# KiCad board FrontEnd_5G.kicad_pcb (continued)
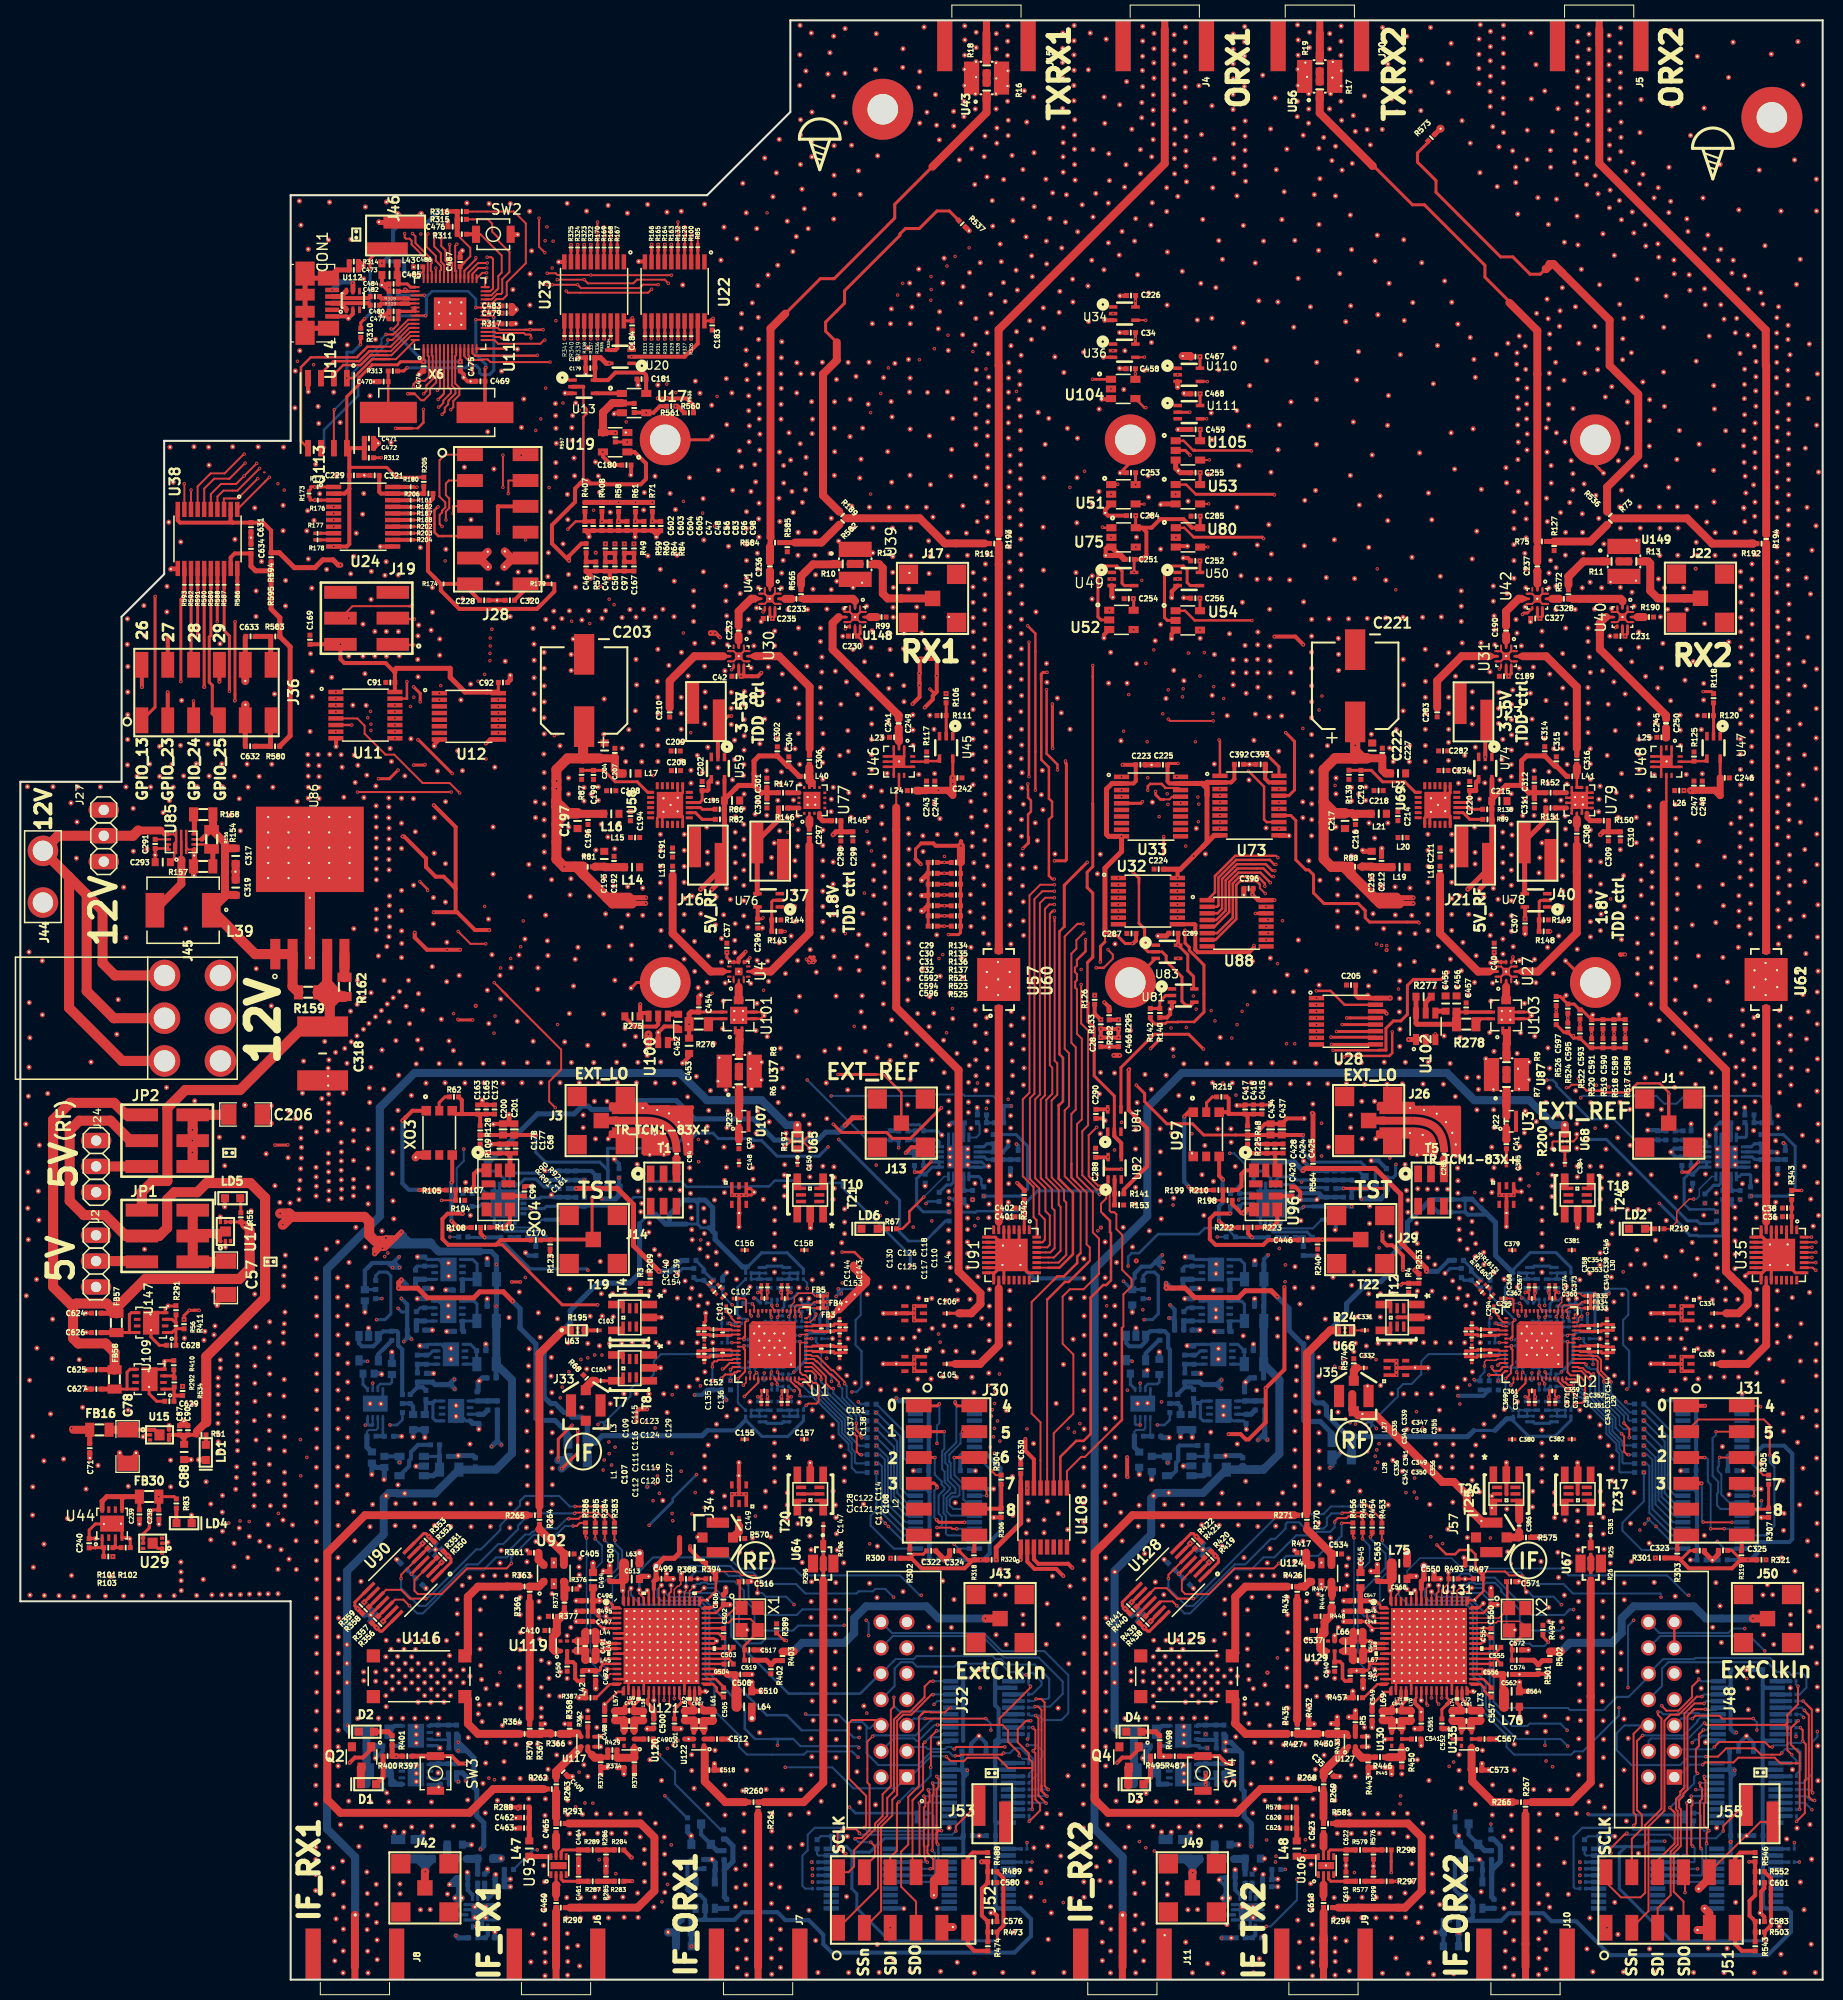
[diagram p0: board, top side]
## Placement (name value [footprint] x y rotation side) (continued)
Ref**#1411  Val**  [VIA_600_400]  51.58 0.38 0 top
Ref**#1412  Val**  [VIA_600_400]  51.59 1.72 0 top
Ref**#1413  Val**  [VIA_600_400]  51.56 5.41 0 top
Ref**#1414  Val**  [VIA_600_400]  51.59 4.02 0 top
Ref**#1415  Val**  [VIA_600_400]  51.58 2.68 0 top
Ref**#1416  Val**  [VIA_600_400]  51.55 6.89 0 top
Ref**#1417  Val**  [VIA_600_400]  51.56 8.23 0 top
Ref**#1418  Val**  [VIA_600_400]  51.53 9.62 0 top
Ref**#1419  Val**  [VIA_600_400]  51.44 11.22 0 top
Ref**#1420  Val**  [VIA_600_400]  53.81 1.78 0 top
Ref**#1421  Val**  [VIA_600_400]  53.8 0.44 0 top
Ref**#1422  Val**  [VIA_600_400]  53.78 3.14 0 top
Ref**#1423  Val**  [VIA_600_400]  53.78 4.54 0 top
Ref**#1424  Val**  [VIA_600_400]  53.69 6.05 0 top
Ref**#1425  Val**  [VIA_600_400]  48.68 14.87 270 top
Ref**#1426  Val**  [VIA_600_400]  48.72 15.9 270 top
Ref**#1427  Val**  [VIA_600_400]  51.58 16.14 0 top
Ref**#1428  Val**  [VIA_600_400]  51.61 14.75 0 top
Ref**#1429  Val**  [VIA_600_400]  51.6 13.04 0 top
Ref**#1430  Val**  [VIA_600_400]  51.62 17.77 0 top
Ref**#1431  Val**  [VIA_600_400]  49.97 17.78 0 top
Ref**#1432  Val**  [VIA_600_400]  48.37 17.79 0 top
Ref**#1433  Val**  [VIA_600_400]  46.9 17.61 0 top
Ref**#1434  Val**  [VIA_600_400]  53.77 18.87 0 top
Ref**#1435  Val**  [VIA_600_400]  53.78 17.63 0 top
Ref**#1436  Val**  [VIA_600_400]  60.92 16.33 0 top
Ref**#1437  Val**  [VIA_600_400]  59.54 16.34 0 top
Ref**#1438  Val**  [VIA_600_400]  56.63 16.3 0 top
Ref**#1439  Val**  [VIA_600_400]  58.01 16.29 0 top
Ref**#1440  Val**  [VIA_600_400]  55.26 16.26 0 top
Ref**#1441  Val**  [VIA_600_400]  53.81 16.22 0 top
Ref**#1442  Val**  [VIA_600_400]  59.52 14.4 0 top
Ref**#1443  Val**  [VIA_600_400]  60.93 14.03 0 top
Ref**#1444  Val**  [VIA_600_400]  54 14.36 0 top
Ref**#1445  Val**  [VIA_600_400]  55.38 14.35 0 top
Ref**#1446  Val**  [VIA_600_400]  58.13 14.38 0 top
Ref**#1447  Val**  [VIA_600_400]  56.75 14.39 0 top
Ref**#1448  Val**  [VIA_600_400]  61.34 12.79 0 top
Ref**#1449  Val**  [VIA_600_400]  61.35 11.4 0 top
Ref**#1450  Val**  [VIA_600_400]  61.36 9.63 0 top
Ref**#1451  Val**  [VIA_600_400]  60.68 8.51 0 top
Ref**#1452  Val**  [VIA_600_400]  56.46 8.1 0 top
Ref**#1453  Val**  [VIA_600_400]  57.84 8.09 0 top
Ref**#1454  Val**  [VIA_600_400]  55.09 8.06 0 top
Ref**#1455  Val**  [VIA_600_400]  53.71 8.07 0 top
Ref**#1456  Val**  [VIA_600_400]  59.23 8.11 0 top
Ref**#1457  Val**  [VIA_600_400]  55.07 6.05 0 top
Ref**#1458  Val**  [VIA_600_400]  57.82 6.08 0 top
Ref**#1459  Val**  [VIA_600_400]  56.44 6.09 0 top
Ref**#1460  Val**  [VIA_600_400]  59.35 6.13 0 top
Ref**#1461  Val**  [VIA_600_400]  60.73 6.12 0 top
Ref**#1462  Val**  [VIA_600_400]  63.3 14.01 0 top
Ref**#1463  Val**  [VIA_600_400]  63.35 8.58 0 top
Ref**#1464  Val**  [VIA_600_400]  63.33 12.33 0 top
Ref**#1465  Val**  [VIA_600_400]  63.34 10.4 0 top
Ref**#1466  Val**  [VIA_600_400]  62.28 7.13 0 top
Ref**#1467  Val**  [VIA_600_400]  62.43 15.37 0 top
Ref**#1468  Val**  [VIA_600_400]  54.88 11.17 0 top
Ref**#1469  Val**  [VIA_600_400]  57.58 11.17 0 top
Ref**#1470  Val**  [VIA_600_400]  49.18 26.69 0 top
Ref**#1471  Val**  [VIA_600_400]  47.2 27.13 0 top
Ref**#1472  Val**  [VIA_600_400]  46.9 28.98 0 top
Ref**#1473  Val**  [VIA_600_400]  47.32 37.66 0 top
Ref**#1474  Val**  [VIA_600_400]  49.13 37.59 0 top
Ref**#1475  Val**  [VIA_600_400]  49.13 35.87 0 top
Ref**#1476  Val**  [VIA_600_400]  49.15 34.13 0 top
Ref**#1477  Val**  [VIA_600_400]  49.11 32.43 0 top
Ref**#1478  Val**  [VIA_600_400]  49.06 30.63 0 top
Ref**#1479  Val**  [VIA_600_400]  49.09 28.85 0 top
Ref**#1480  Val**  [VIA_600_400]  47.38 24.99 0 top
Ref**#1481  Val**  [VIA_600_400]  49.01 25.22 0 top
Ref**#1482  Val**  [VIA_600_400]  45.01 26.12 0 top
Ref**#1483  Val**  [VIA_600_400]  45.1 27.02 0 top
Ref**#1484  Val**  [VIA_600_400]  45.39 25.36 0 top
Ref**#1485  Val**  [VIA_600_400]  46.1 27.05 0 top
Ref**#1486  Val**  [VIA_600_400]  45.77 28.6 0 top
Ref**#1487  Val**  [VIA_600_400]  45.34 29.5 0 top
Ref**#1488  Val**  [VIA_600_400]  45.25 30.88 0 top
Ref**#1489  Val**  [VIA_600_400]  45.19 32.49 0 top
Ref**#1490  Val**  [VIA_600_400]  45.25 33.93 0 top
Ref**#1491  Val**  [VIA_600_400]  45.21 36.35 0 top
Ref**#1492  Val**  [VIA_600_400]  45.64 37.59 0 top
Ref**#1493  Val**  [VIA_600_400]  34.44 35.85 0 top
Ref**#1494  Val**  [VIA_600_400]  37 41.3 0 top
Ref**#1495  Val**  [VIA_600_400]  49.75 44.43 0 top
Ref**#1496  Val**  [VIA_600_400]  50.68 43.06 0 top
Ref**#1497  Val**  [VIA_600_400]  53.34 43.55 0 top
Ref**#1498  Val**  [VIA_600_400]  52.24 45 0 top
Ref**#1499  Val**  [VIA_600_400]  65.95 14.14 0 top
Ref**#1500  Val**  [VIA_600_400]  67.98 11.82 0 top
Ref**#1501  Val**  [VIA_600_400]  63.67 4.66 0 top
Ref**#1502  Val**  [VIA_600_400]  96.91 32.95 0 top
Ref**#1503  Val**  [VIA_600_400]  95.92 33.9 0 top
Ref**#1504  Val**  [VIA_600_400]  98.56 35.88 90 top
Ref**#1505  Val**  [VIA_600_400]  98.58 34.92 90 top
Ref**#1506  Val**  [VIA_600_400]  95.85 37.81 0 top
Ref**#1507  Val**  [VIA_600_400]  96.81 37.83 0 top
Ref**#1508  Val**  [VIA_600_400]  96.29 38.83 0 top
Ref**#1509  Val**  [VIA_600_400]  107.17 2.81 0 top
Ref**#1510  Val**  [VIA_600_400]  107.16 0.66 0 top
Ref**#1511  Val**  [VIA_600_400]  109.6 2.8 0 top
Ref**#1512  Val**  [VIA_600_400]  109.64 0.66 0 top
Ref**#1513  Val**  [VIA_600_400]  109.55 4.91 0 top
Ref**#1514  Val**  [VIA_600_400]  31.73 0.67 0 top
Ref**#1515  Val**  [VIA_600_400]  31.74 2.82 0 top
Ref**#1516  Val**  [VIA_600_400]  31.77 7.12 0 top
Ref**#1517  Val**  [VIA_600_400]  31.76 4.97 0 top
Ref**#1518  Val**  [VIA_600_400]  31.75 9.59 0 top
Ref**#1519  Val**  [VIA_600_400]  31.68 11.65 0 top
Ref**#1520  Val**  [VIA_600_400]  34.09 4.91 0 top
Ref**#1521  Val**  [VIA_600_400]  34.18 0.66 0 top
Ref**#1522  Val**  [VIA_600_400]  34.14 2.8 0 top
Ref**#1523  Val**  [VIA_600_400]  34.11 8.47 0 top
Ref**#1524  Val**  [VIA_600_400]  34.15 6.33 0 top
Ref**#1525  Val**  [VIA_600_400]  34.06 10.58 0 top
Ref**#1526  Val**  [VIA_600_400#4]  32.92 6.36 0 top
Ref**#1527  Val**  [VIA_600_400]  37.31 9.4 90 top
Ref**#1528  Val**  [VIA_600_400]  37.33 8.44 90 top
Ref**#1529  Val**  [VIA_600_400]  40.29 6.89 0 top
Ref**#1530  Val**  [VIA_600_400]  39.33 6.87 0 top
Ref**#1531  Val**  [VIA_600_400]  94.26 30.47 0 top
Ref**#1532  Val**  [VIA_600_400]  94.23 23.95 0 top
Ref**#1533  Val**  [VIA_600_400]  94.26 14.14 0 top
Ref**#1534  Val**  [VIA_600_400]  90.11 6.99 0 top
Ref**#1535  Val**  [VIA_600_400]  86.85 6.98 0 top
Ref**#1536  Val**  [VIA_600_400]  91.31 14.92 0 top
Ref**#1537  Val**  [VIA_600_400]  81.29 14.08 0 top
Ref**#1538  Val**  [VIA_600_400]  95.41 6.56 0 top
Ref**#1539  Val**  [VIA_600_400]  90.29 23.24 0 top
Ref**#1540  Val**  [VIA_600_400]  74.89 18.66 0 top
Ref**#1541  Val**  [VIA_600_400]  76.72 18.69 0 top
Ref**#1542  Val**  [VIA_600_400]  77.74 20.13 0 top
Ref**#1543  Val**  [VIA_600_400]  71.4 20.59 0 top
Ref**#1544  Val**  [VIA_600_400]  78.72 17.53 0 top
Ref**#1545  Val**  [VIA_600_400]  77.5 16.39 0 top
Ref**#1546  Val**  [VIA_600_400]  75.67 16.23 0 top
Ref**#1547  Val**  [VIA_600_400]  77.8 21.9 0 top
Ref**#1548  Val**  [VIA_600_400]  80.17 21.83 0 top
Ref**#1549  Val**  [VIA_600_400]  79.97 19.08 0 top
Ref**#1550  Val**  [VIA_600_400]  80.21 23.62 0 top
Ref**#1551  Val**  [VIA_600_400]  80.15 25.44 0 top
Ref**#1552  Val**  [VIA_600_400]  77.93 25.48 0 top
Ref**#1553  Val**  [VIA_600_400]  77.74 23.68 0 top
Ref**#1554  Val**  [VIA_600_400]  80.16 39.02 0 top
Ref**#1555  Val**  [VIA_600_400]  80.1 33.98 0 top
Ref**#1556  Val**  [VIA_600_400]  80.1 35.63 0 top
Ref**#1557  Val**  [VIA_600_400]  80.12 37.21 0 top
Ref**#1558  Val**  [VIA_600_400]  80.08 30.59 0 top
Ref**#1559  Val**  [VIA_600_400]  80.06 29.01 0 top
Ref**#1560  Val**  [VIA_600_400]  80.06 27.36 0 top
Ref**#1561  Val**  [VIA_600_400]  80.12 32.23 0 top
Ref**#1562  Val**  [VIA_600_400]  77.78 39.11 0 top
Ref**#1563  Val**  [VIA_600_400]  77.74 37.17 0 top
Ref**#1564  Val**  [VIA_600_400]  77.72 35.59 0 top
Ref**#1565  Val**  [VIA_600_400]  77.72 33.94 0 top
Ref**#1566  Val**  [VIA_600_400]  77.84 27.39 0 top
Ref**#1567  Val**  [VIA_600_400]  77.84 29.04 0 top
Ref**#1568  Val**  [VIA_600_400]  77.86 30.62 0 top
Ref**#1569  Val**  [VIA_600_400]  77.76 32.3 0 top
Ref**#1570  Val**  [VIA_600_400]  67.59 17.24 0 top
Ref**#1571  Val**  [VIA_600_400]  66.23 18.8 0 top
Ref**#1572  Val**  [VIA_600_400]  69.27 16.18 0 top
Ref**#1573  Val**  [VIA_600_400]  95.7 45.42 0 top
Ref**#1574  Val**  [VIA_600_400]  90.89 41.23 0 top
Ref**#1575  Val**  [VIA_600_400]  87.78 50.02 0 top
Ref**#1576  Val**  [VIA_600_400]  93.89 50.01 0 top
Ref**#1577  Val**  [VIA_600_400]  95.67 48.23 0 top
Ref**#1578  Val**  [VIA_600_400]  52.08 71.17 90 top
Ref**#1579  Val**  [VIA_600_400]  57.11 67.42 90 top
Ref**#1580  Val**  [VIA_600_400]  52.3 53.76 90 top
Ref**#1581  Val**  [VIA_600_400]  58.23 67.42 0 top
Ref**#1582  Val**  [VIA_600_400]  59.45 67.43 0 top
Ref**#1583  Val**  [VIA_600_400]  52.22 55.78 90 top
Ref**#1584  Val**  [VIA_600_400]  49.79 53.91 90 top
Ref**#1585  Val**  [VIA_600_400]  49.82 55.9 90 top
Ref**#1586  Val**  [VIA_600_400]  52.22 51.86 90 top
Ref**#1587  Val**  [VIA_600_400]  49.82 51.97 90 top
Ref**#1588  Val**  [VIA_600_400]  52.3 50.26 0 top
Ref**#1589  Val**  [VIA_600_400]  49.82 50.45 0 top
Ref**#1590  Val**  [VIA_600_400]  61.27 62.62 0 top
Ref**#1591  Val**  [VIA_600_400]  60.14 62.65 0 top
Ref**#1592  Val**  [VIA_600_400]  57.93 62.52 90 top
Ref**#1593  Val**  [VIA_600_400]  59.12 62.52 90 top
Ref**#1594  Val**  [VIA_600_400]  56.93 62.3 0 top
Ref**#1595  Val**  [VIA_600_400]  55.78 62.53 0 top
Ref**#1596  Val**  [VIA_600_400]  58.28 65.15 90 top
Ref**#1597  Val**  [VIA_600_400]  55.68 60.02 90 top
Ref**#1598  Val**  [VIA_600_400]  57.2 65.23 0 top
Ref**#1599  Val**  [VIA_600_400]  56.01 65.21 0 top
Ref**#1600  Val**  [VIA_600_400]  52.8 64.96 90 top
Ref**#1601  Val**  [VIA_600_400]  53.85 62.61 90 top
Ref**#1602  Val**  [VIA_600_400]  49.96 60.32 0 top
Ref**#1603  Val**  [VIA_600_400]  50.01 62 0 top
Ref**#1604  Val**  [VIA_600_400]  51.1 63.14 90 top
Ref**#1605  Val**  [VIA_600_400]  52.2 61.16 90 top
Ref**#1606  Val**  [VIA_600_400]  52.25 57.69 0 top
Ref**#1607  Val**  [VIA_600_400]  52.17 59.32 0 top
Ref**#1608  Val**  [VIA_600_400]  49.93 58.87 90 top
Ref**#1609  Val**  [VIA_600_400]  49.85 57.43 90 top
Ref**#1610  Val**  [VIA_600_400]  49.84 48.58 0 top
Ref**#1611  Val**  [VIA_600_400]  49.84 46.79 0 top
Ref**#1612  Val**  [VIA_600_400]  52.3 48.64 0 top
Ref**#1613  Val**  [VIA_600_400]  52.28 46.74 0 top
Ref**#1614  Val**  [VIA_600_400]  55.19 56.24 90 top
Ref**#1615  Val**  [VIA_600_400]  60.54 57.6 90 top
Ref**#1616  Val**  [VIA_600_400]  59.33 57.6 90 top
Ref**#1617  Val**  [VIA_600_400]  57.91 60.15 90 top
Ref**#1618  Val**  [VIA_600_400]  34.37 44.52 0 top
Ref**#1619  Val**  [VIA_600_400]  44.31 44.52 0 top
Ref**#1620  Val**  [VIA_600_400]  46.21 44.53 0 top
Ref**#1621  Val**  [VIA_600_400]  42.31 44.54 0 top
Ref**#1622  Val**  [VIA_600_400]  40.71 44.64 0 top
Ref**#1623  Val**  [VIA_600_400]  38.75 44.55 0 top
Ref**#1624  Val**  [VIA_600_400]  36.85 44.62 0 top
Ref**#1625  Val**  [VIA_600_400]  34.63 46.71 0 top
Ref**#1626  Val**  [VIA_600_400]  36.9 46.79 0 top
Ref**#1627  Val**  [VIA_600_400]  38.8 46.8 0 top
Ref**#1628  Val**  [VIA_600_400]  40.71 46.79 0 top
Ref**#1629  Val**  [VIA_600_400]  42.36 46.79 0 top
Ref**#1630  Val**  [VIA_600_400]  48.17 46.77 0 top
Ref**#1631  Val**  [VIA_600_400]  46.26 46.78 0 top
Ref**#1632  Val**  [VIA_600_400]  44.36 46.77 0 top
Ref**#1633  Val**  [VIA_600_400]  37.78 47.79 0 top
Ref**#1634  Val**  [VIA_600_400]  35.95 47.56 0 top
Ref**#1635  Val**  [VIA_600_400]  29.05 14.9 0 top
Ref**#1636  Val**  [VIA_600_400]  29.05 24.55 0 top
Ref**#1637  Val**  [VIA_600_400]  29.05 19.11 0 top
Ref**#1638  Val**  [VIA_600_400]  29.05 17.25 0 top
Ref**#1639  Val**  [VIA_600_400]  29.05 21.03 0 top
Ref**#1640  Val**  [VIA_600_400]  29.05 22.92 0 top
Ref**#1641  Val**  [VIA_600_400]  29.1 43.06 0 top
Ref**#1642  Val**  [VIA_600_400]  29.1 41.2 0 top
Ref**#1643  Val**  [VIA_600_400]  29.1 44.98 0 top
Ref**#1644  Val**  [VIA_600_400]  29.13 32.06 0 top
Ref**#1645  Val**  [VIA_600_400]  29.13 30.17 0 top
Ref**#1646  Val**  [VIA_600_400]  29.13 26.39 0 top
Ref**#1647  Val**  [VIA_600_400]  29.13 28.25 0 top
Ref**#1648  Val**  [VIA_600_400]  29.13 35.55 0 top
Ref**#1649  Val**  [VIA_600_400]  29.13 33.69 0 top
Ref**#1650  Val**  [VIA_600_400]  29.13 37.47 0 top
Ref**#1651  Val**  [VIA_600_400]  29.13 39.36 0 top
Ref**#1652  Val**  [VIA_600_400]  29.03 8.75 0 top
Ref**#1653  Val**  [VIA_600_400]  29.04 10.34 0 top
Ref**#1654  Val**  [VIA_600_400]  29.03 13.03 0 top
Ref**#1655  Val**  [VIA_600_400]  29.04 11.8 0 top
Ref**#1656  Val**  [VIA_600_400]  29.1 48.5 0 top
Ref**#1657  Val**  [VIA_600_400]  29.1 50.36 0 top
Ref**#1658  Val**  [VIA_600_400]  29.13 65.23 0 top
Ref**#1659  Val**  [VIA_600_400]  29.13 63.34 0 top
Ref**#1660  Val**  [VIA_600_400]  29.13 59.56 0 top
Ref**#1661  Val**  [VIA_600_400]  29.13 61.42 0 top
Ref**#1662  Val**  [VIA_600_400]  29.13 54.12 0 top
Ref**#1663  Val**  [VIA_600_400]  29.13 52.26 0 top
Ref**#1664  Val**  [VIA_600_400]  29.13 56.04 0 top
Ref**#1665  Val**  [VIA_600_400]  29.13 57.93 0 top
Ref**#1666  Val**  [VIA_600_400]  29.1 70.85 0 top
Ref**#1667  Val**  [VIA_600_400]  29.1 67.07 0 top
Ref**#1668  Val**  [VIA_600_400]  29.1 68.93 0 top
Ref**#1669  Val**  [VIA_600_400]  29.1 46.87 0 top
Ref**#1670  Val**  [VIA_600_400]  32.18 62.53 0 top
Ref**#1671  Val**  [VIA_600_400]  32.15 68.15 0 top
Ref**#1672  Val**  [VIA_600_400]  32.15 64.37 0 top
Ref**#1673  Val**  [VIA_600_400]  32.15 66.23 0 top
Ref**#1674  Val**  [VIA_600_400]  32.15 47.68 0 top
Ref**#1675  Val**  [VIA_600_400]  32.15 49.54 0 top
Ref**#1676  Val**  [VIA_600_400]  32.18 58.74 0 top
Ref**#1677  Val**  [VIA_600_400]  32.18 60.6 0 top
Ref**#1678  Val**  [VIA_600_400]  32.18 53.3 0 top
Ref**#1679  Val**  [VIA_600_400]  32.18 51.44 0 top
Ref**#1680  Val**  [VIA_600_400]  32.18 55.22 0 top
Ref**#1681  Val**  [VIA_600_400]  32.18 57.11 0 top
Ref**#1682  Val**  [VIA_600_400]  31.23 57.95 0 top
Ref**#1683  Val**  [VIA_600_400]  31.23 56.06 0 top
Ref**#1684  Val**  [VIA_600_400]  31.23 52.28 0 top
Ref**#1685  Val**  [VIA_600_400]  31.23 54.14 0 top
Ref**#1686  Val**  [VIA_600_400]  31.23 61.44 0 top
Ref**#1687  Val**  [VIA_600_400]  31.23 59.58 0 top
Ref**#1688  Val**  [VIA_600_400]  31.2 46.89 0 top
Ref**#1689  Val**  [VIA_600_400]  31.24 44.64 0 top
Ref**#1690  Val**  [VIA_600_400]  31.2 50.38 0 top
Ref**#1691  Val**  [VIA_600_400]  31.2 48.52 0 top
Ref**#1692  Val**  [VIA_600_400]  31.2 67.07 0 top
Ref**#1693  Val**  [VIA_600_400]  31.2 65.21 0 top
Ref**#1694  Val**  [VIA_600_400]  31.2 68.99 0 top
Ref**#1695  Val**  [VIA_600_400]  31.23 63.37 0 top
Ref**#1696  Val**  [VIA_600_400]  32.75 46.01 0 top
Ref**#1697  Val**  [VIA_600_400]  32.87 43.13 0 top
Ref**#1698  Val**  [VIA_600_400]  31.23 41.48 0 top
Ref**#1699  Val**  [VIA_600_400]  33.53 15.01 0 top
Ref**#1700  Val**  [VIA_600_400]  44.48 15.11 0 top
Ref**#1701  Val**  [VIA_600_400]  40.42 15.09 0 top
Ref**#1702  Val**  [VIA_600_400]  42.57 15.09 0 top
Ref**#1703  Val**  [VIA_600_400]  35.9 15.08 0 top
Ref**#1704  Val**  [VIA_600_400]  31.47 15.24 0 top
Ref**#1705  Val**  [VIA_600_400]  38.47 15 0 top
Ref**#1706  Val**  [VIA_600_400]  45.7 16.38 0 top
Ref**#1707  Val**  [VIA_600_400]  31.26 33.7 0 top
Ref**#1708  Val**  [VIA_600_400]  31.26 28.26 0 top
Ref**#1709  Val**  [VIA_600_400]  31.26 26.4 0 top
Ref**#1710  Val**  [VIA_600_400]  31.26 30.18 0 top
Ref**#1711  Val**  [VIA_600_400]  31.26 32.07 0 top
Ref**#1712  Val**  [VIA_600_400]  31.29 39.36 0 top
Ref**#1713  Val**  [VIA_600_400]  31.29 37.47 0 top
Ref**#1714  Val**  [VIA_600_400]  31.29 35.55 0 top
Ref**#1715  Val**  [VIA_600_400]  31.24 24.52 0 top
Ref**#1716  Val**  [VIA_600_400]  31.24 19.08 0 top
Ref**#1717  Val**  [VIA_600_400]  31.24 21 0 top
Ref**#1718  Val**  [VIA_600_400]  31.24 22.89 0 top
Ref**#1719  Val**  [VIA_600_400]  43.98 17.66 0 top
Ref**#1720  Val**  [VIA_600_400]  40.41 17.46 0 top
Ref**#1721  Val**  [VIA_600_400]  38.21 17.47 0 top
Ref**#1722  Val**  [VIA_600_400]  36.21 17.48 0 top
Ref**#1723  Val**  [VIA_600_400]  34.41 17.48 0 top
Ref**#1724  Val**  [VIA_600_400]  32.28 17.54 0 top
Ref**#1725  Val**  [VIA_600_400]  45.48 19.29 0 top
Ref**#1726  Val**  [VIA_600_400]  45.75 21.29 0 top
Ref**#1727  Val**  [VIA_600_400]  44.03 23.79 0 top
Ref**#1728  Val**  [VIA_600_400]  45.82 23.3 0 top
Ref**#1729  Val**  [VIA_600_400]  47.62 23.34 0 top
Ref**#1730  Val**  [VIA_600_400]  48.73 23.11 0 top
Ref**#1731  Val**  [VIA_600_400]  42.19 9.35 0 top
Ref**#1732  Val**  [VIA_600_400]  41.99 8.41 0 top
Ref**#1733  Val**  [VIA_600_400]  41.75 88.15 0 top
Ref**#1734  Val**  [VIA_600_400]  39.88 88.12 0 top
Ref**#1735  Val**  [VIA_600_400]  53.05 88.16 0 top
Ref**#1736  Val**  [VIA_600_400]  51.18 88.16 0 top
Ref**#1737  Val**  [VIA_600_400]  49.31 88.15 0 top
Ref**#1738  Val**  [VIA_600_400]  43.7 88.13 0 top
Ref**#1739  Val**  [VIA_600_400]  45.58 88.15 0 top
Ref**#1740  Val**  [VIA_600_400]  47.45 88.13 0 top
Ref**#1741  Val**  [VIA_600_400]  58.7 88.15 0 top
Ref**#1742  Val**  [VIA_600_400]  56.83 88.12 0 top
Ref**#1743  Val**  [VIA_600_400]  54.96 88.14 0 top
Ref**#1744  Val**  [VIA_600_400]  60.56 88.15 0 top
Ref**#1745  Val**  [VIA_600_400]  62.43 88.14 0 top
Ref**#1746  Val**  [VIA_600_400]  64.28 88.13 0 top
Ref**#1747  Val**  [VIA_600_400]  65.1 90.09 0 top
Ref**#1748  Val**  [VIA_600_400]  62.95 90.19 0 top
Ref**#1749  Val**  [VIA_600_400]  60.7 90.16 0 top
Ref**#1750  Val**  [VIA_600_400]  56.37 90.14 0 top
Ref**#1751  Val**  [VIA_600_400]  58.62 90.17 0 top
Ref**#1752  Val**  [VIA_600_400]  49.84 90.13 0 top
Ref**#1753  Val**  [VIA_600_400]  47.5 90.1 0 top
Ref**#1754  Val**  [VIA_600_400]  51.92 90.12 0 top
Ref**#1755  Val**  [VIA_600_400]  54.17 90.15 0 top
Ref**#1756  Val**  [VIA_600_400]  45.5 90.06 0 top
Ref**#1757  Val**  [VIA_600_400]  43.25 90.03 0 top
Ref**#1758  Val**  [VIA_600_400]  38.92 90.01 0 top
Ref**#1759  Val**  [VIA_600_400]  41.17 90.04 0 top
Ref**#1760  Val**  [VIA_600_400]  34.19 76.25 0 top
Ref**#1761  Val**  [VIA_600_400]  34.19 79.74 0 top
Ref**#1762  Val**  [VIA_600_400]  34.19 77.88 0 top
Ref**#1763  Val**  [VIA_600_400]  34.19 81.66 0 top
Ref**#1764  Val**  [VIA_600_400]  34.19 83.55 0 top
Ref**#1765  Val**  [VIA_600_400]  34.34 86.21 0 top
Ref**#1766  Val**  [VIA_600_400]  36.63 76.54 0 top
Ref**#1767  Val**  [VIA_600_400]  36.6 83.63 0 top
Ref**#1768  Val**  [VIA_600_400]  36.63 81.37 0 top
Ref**#1769  Val**  [VIA_600_400]  36.71 74.78 0 top
Ref**#1770  Val**  [VIA_600_400]  36.57 79.22 0 top
Ref**#1771  Val**  [VIA_600_400]  35.72 87.52 0 top
Ref**#1772  Val**  [VIA_600_400]  37.12 85.44 0 top
Ref**#1773  Val**  [VIA_600_400]  38.44 86.91 0 top
Ref**#1774  Val**  [VIA_600_400]  37.19 88.9 0 top
Ref**#1775  Val**  [VIA_600_400]  32.98 73.95 0 top
Ref**#1776  Val**  [VIA_600_400]  31.19 72.51 0 top
Ref**#1777  Val**  [VIA_600_400]  32.31 70.5 0 top
Ref**#1778  Val**  [VIA_600_400]  33.9 72 0 top
Ref**#1779  Val**  [VIA_600_400]  35.55 73.59 0 top
Ref**#1780  Val**  [VIA_600_400#4]  76.39 84.01 0 top
Ref**#1781  Val**  [VIA_600_400#2]  66.55 80.19 90 top
Ref**#1782  Val**  [VIA_600_400]  63.16 82.28 0 top
Ref**#1783  Val**  [VIA_600_400]  63.26 81.12 0 top
Ref**#1784  Val**  [VIA_600_400]  61.86 81.1 90 top
Ref**#1785  Val**  [VIA_600_400]  62.37 83.07 0 top
Ref**#1786  Val**  [VIA_600_400]  69.4 79.84 0 top
Ref**#1787  Val**  [VIA_600_400]  66 73.71 90 top
Ref**#1788  Val**  [VIA_600_400]  70.64 73.99 0 top
Ref**#1789  Val**  [VIA_600_400]  69.21 77.36 0 top
Ref**#1790  Val**  [VIA_600_400#2]  66.94 82.64 90 top
Ref**#1791  Val**  [VIA_600_400#2]  66.98 81.08 90 top
Ref**#1792  Val**  [VIA_600_400]  65.86 78.56 0 top
Ref**#1793  Val**  [VIA_600_400]  63.91 77.71 0 top
Ref**#1794  Val**  [VIA_600_400]  65.88 77.28 0 top
Ref**#1795  Val**  [VIA_600_400]  60.64 80.14 0 top
Ref**#1796  Val**  [VIA_600_400]  60.72 77.5 0 top
Ref**#1797  Val**  [VIA_600_400]  60.68 78.8 0 top
Ref**#1798  Val**  [VIA_600_400#2]  66.53 78.83 90 top
Ref**#1799  Val**  [VIA_600_400]  62.91 77.71 0 top
Ref**#1800  Val**  [VIA_600_400]  61.92 77.71 0 top
Ref**#1801  Val**  [VIA_600_400]  64.84 77.6 0 top
Ref**#1802  Val**  [VIA_600_400#2]  66.7 79.92 90 top
Ref**#1803  Val**  [VIA_600_400#2]  66.66 81.48 90 top
Ref**#1804  Val**  [VIA_600_400]  62.61 85.49 0 top
Ref**#1805  Val**  [VIA_600_400]  66.45 88.78 0 top
Ref**#1806  Val**  [VIA_600_400]  65.6 86.77 0 top
Ref**#1807  Val**  [VIA_600_400]  65.66 82.12 0 top
Ref**#1808  Val**  [VIA_600_400]  65.8 79.8 0 top
Ref**#1809  Val**  [VIA_600_400]  65.72 80.98 0 top
Ref**#1810  Val**  [VIA_600_400#2]  66.58 78.62 90 top
Ref**#1811  Val**  [VIA_600_400#2]  66.62 77.06 90 top
Ref**#1812  Val**  [VIA_600_400#2]  66.9 78.22 90 top
Ref**#1813  Val**  [VIA_600_400#2]  66.86 79.78 90 top
Ref**#1814  Val**  [VIA_600_400]  64.72 84.29 0 top
Ref**#1815  Val**  [VIA_600_400]  63.75 85.14 0 top
Ref**#1816  Val**  [VIA_600_400]  65.33 83.25 0 top
Ref**#1817  Val**  [VIA_600_400#2]  66.47 77.33 90 top
Ref**#1818  Val**  [VIA_600_400#2]  66.59 79.88 90 top
Ref**#1819  Val**  [VIA_600_400#2]  66.91 79.48 90 top
Ref**#1820  Val**  [VIA_600_400#2]  66.87 81.04 90 top
Ref**#1821  Val**  [VIA_600_400]  65.9 75.94 0 top
Ref**#1822  Val**  [VIA_600_400]  61.78 73.46 0 top
Ref**#1823  Val**  [VIA_600_400]  67.24 74.52 0 top
Ref**#1824  Val**  [VIA_600_400]  72.14 77.4 0 top
Ref**#1825  Val**  [VIA_600_400]  69.23 78.56 0 top
Ref**#1826  Val**  [VIA_600_400]  69.17 81.83 0 top
Ref**#1827  Val**  [VIA_600_400#2]  67.41 81.53 90 top
Ref**#1828  Val**  [VIA_600_400#2]  66.91 82.31 90 top
Ref**#1829  Val**  [VIA_600_400#2]  66.86 82.61 90 top
Ref**#1830  Val**  [VIA_600_400#2]  66.66 84.31 90 top
Ref**#1831  Val**  [VIA_600_400#2]  66.7 82.75 90 top
Ref**#1832  Val**  [VIA_600_400#2]  66.98 83.91 90 top
Ref**#1833  Val**  [VIA_600_400#2]  66.94 85.47 90 top
Ref**#1834  Val**  [VIA_600_400]  69.56 85.4 0 top
Ref**#1835  Val**  [VIA_600_400]  69.46 83.73 0 top
Ref**#1836  Val**  [VIA_600_400]  67.67 85.44 0 top
Ref**#1837  Val**  [VIA_600_400#2]  66.78 81.54 90 top
Ref**#1838  Val**  [VIA_600_400#2]  66.66 80.24 90 top
Ref**#1839  Val**  [VIA_600_400#2]  66.71 79.94 90 top
Ref**#1840  Val**  [VIA_600_400#2]  66.67 81.5 90 top
Ref**#1841  Val**  [VIA_600_400]  67.24 73.34 0 top
Ref**#1842  Val**  [VIA_600_400]  67.18 75.82 0 top
Ref**#1843  Val**  [VIA_600_400]  60.99 75.47 0 top
Ref**#1844  Val**  [VIA_600_400]  61.09 76.3 0 top
Ref**#1845  Val**  [VIA_600_400#2]  66.67 78.67 90 top
Ref**#1846  Val**  [VIA_600_400#2]  66.71 77.11 90 top
Ref**#1847  Val**  [VIA_600_400#2]  66.66 77.41 90 top
Ref**#1848  Val**  [VIA_600_400#2]  66.78 78.71 90 top
Ref**#1849  Val**  [VIA_600_400#2]  66.74 80.27 90 top
Ref**#1850  Val**  [VIA_600_400]  61.84 74.37 0 top
Ref**#1851  Val**  [VIA_600_400]  66 74.83 0 top
Ref**#1852  Val**  [VIA_600_400]  69.38 87.45 0 top
Ref**#1853  Val**  [VIA_600_400]  71.98 81.9 0 top
Ref**#1854  Val**  [VIA_600_400]  73.61 84.31 0 top
Ref**#1855  Val**  [VIA_600_400#2]  66.47 84.65 90 top
Ref**#1856  Val**  [VIA_600_400#2]  66.51 83.09 90 top
Ref**#1857  Val**  [VIA_600_400#2]  66.45 80.3 90 top
Ref**#1858  Val**  [VIA_600_400#2]  66.41 81.86 90 top
Ref**#1859  Val**  [VIA_600_400]  77.61 78.9 0 top
Ref**#1860  Val**  [VIA_600_400]  75.1 77.03 0 top
Ref**#1861  Val**  [VIA_600_400]  77.62 79.95 0 top
Ref**#1862  Val**  [VIA_600_400]  72.33 83.19 0 top
Ref**#1863  Val**  [VIA_600_400]  75.15 77.98 0 top
Ref**#1864  Val**  [VIA_600_400]  75.08 81.75 0 top
Ref**#1865  Val**  [VIA_600_400#2]  66.88 82.68 90 top
Ref**#1866  Val**  [VIA_600_400#2]  66.92 81.12 90 top
Ref**#1867  Val**  [VIA_600_400#2]  66.64 79.96 90 top
Ref**#1868  Val**  [VIA_600_400#2]  66.6 81.52 90 top
Ref**#1869  Val**  [VIA_600_400#2]  66.8 79.82 90 top
Ref**#1870  Val**  [VIA_600_400#2]  66.88 79.85 90 top
Ref**#1871  Val**  [VIA_600_400#2]  66.68 78.68 90 top
Ref**#1872  Val**  [VIA_600_400#2]  67 78.28 90 top
Ref**#1873  Val**  [VIA_600_400#2]  66.96 79.84 90 top
Ref**#1874  Val**  [VIA_600_400]  71.98 79.78 0 top
Ref**#1875  Val**  [VIA_600_400]  68.24 76.63 0 top
Ref**#1876  Val**  [VIA_600_400]  70.65 75.34 0 top
Ref**#1877  Val**  [VIA_600_400]  77.59 81.72 0 top
Ref**#1878  Val**  [VIA_600_400]  72.04 78.64 0 top
Ref**#1879  Val**  [VIA_600_400#2]  66.49 79.02 90 top
Ref**#1880  Val**  [VIA_600_400#2]  66.59 80.25 90 top
Ref**#1881  Val**  [VIA_600_400#2]  66.55 81.81 90 top
Ref**#1882  Val**  [VIA_600_400]  77.59 83.19 0 top
Ref**#1883  Val**  [VIA_600_400]  73.03 76.68 0 top
Ref**#1884  Val**  [VIA_600_400]  75.13 80.11 0 top
Ref**#1885  Val**  [VIA_600_400#2]  66.75 78.66 90 top
Ref**#1886  Val**  [VIA_600_400#2]  66.92 78.78 90 top
Ref**#1887  Val**  [VIA_600_400]  75.1 79.08 0 top
Ref**#1888  Val**  [VIA_600_400]  75.26 83.21 0 top
Ref**#1889  Val**  [VIA_600_400#2]  67.06 81.07 90 top